# KiCad board TRS80IJP_1.kicad_pcb (continued)
## Routing (per net, layer and track width the routed paths; a pad name or vN(x,y) marks a point on that pad's centre or on a via; arc(x,y) is an arc through that point) (continued)
  Top w0.25: v1(178.73,58.69) 176.32,58.69 173.49,61.53 168.5,61.53 168.43,61.6 168.43,61.66 165.99,64.1 159.17,64.1 158.9,64.37 153.76,64.37 152.98,65.15 151.89,65.15 151.86,65.12 142.69,65.12 140.96,66.85 139.08,66.85 138.23,66 134.95,66 134.18,66.77 131.44,66.77 130.72,66.05 v1(128.23,66.05) ; v1(274.13,57.41) 272.88,57.41 272,56.53 267.64,56.53 265.13,54.02 265.12,54.02 265.11,54.03 260.7,54.03 258.23,51.56 252.18,51.56 251.23,52.51 v1(251.23,52.94) ; Z46.1 283.93,65.57 282.51,66.98 276.53,66.98 275.53,65.98 v1(273.92,65.98) ; v1(125.56,72.15) 122.91,72.15 120.81,70.05 120.72,70.05 117.16,70.03 116.96,70.03 113.53,68.17 113.47,68.17 113.41,68.23 109.4,68.23 108.37,67.2 95.96,67.2 v1(95.61,67.55) ; v1(249.71,42.6) 248.1,42.6 246.53,41.03 240.84,41.03 239.81,42.06 224.58,42.06 224.05,41.53 200.84,41.53 198.77,43.6 182.29,43.6 v1(181.9,43.21) ; v1(95.22,89.55) 90.9,89.55 89.51,90.95 Z28.1 ; v1(97.73,50.32) 97.74,50.33 Z36.6
  Bottom w0.25: v1(97.73,50.32) 97.73,51.64 95.97,53.4 95.97,55.21 97.12,56.36 97.12,60.93 96.48,61.57 96.48,66.68 v1(95.61,67.55) 96.57,68.51 96.57,69.39 96.54,69.42 96.54,79.88 97.22,80.56 97.22,87.55 v1(95.22,89.55) 95.22,87.94 Z28.12 ; v1(125.56,72.15) 128.18,69.96 v1(128.23,66.05) ; v1(178.73,58.69) 178.73,53.09 180.38,51.44 180.38,44.73 v1(181.9,43.21) ; v1(273.92,65.98) 273.81,65.87 273.81,59.44 274.13,59.12 v1(274.13,57.41) ; v1(249.71,42.6) 249.71,43.75 249.36,44.69 249.08,51.41 250.61,52.94 v1(251.23,52.94)
C16: length 162.3
  Top w0.25: Z29.10 104.89,75.71 104.74,75.55 103.27,77.02 94.38,77.02 93.15,78.25 89.33,78.25 88.14,79.43 83.95,79.43 83.13,78.61 80.5,78.61 79.57,79.54 73.82,79.54 71.36,82 64.76,82 v1(64.74,81.98) ; v1(65.9,33.67) 36.23,33.67 34.98,33.13 32.5,32.16 Z51.13
  Bottom w0.25: Z5.10 63.6,108.75 66.4,105.95 66.4,89.49 64.73,87.82 64.73,85.93 64.12,85.32 64.12,83.89 64.74,83.27 v1(64.74,81.98) 64.74,81.15 64.23,80.64 64.23,78.44 64.87,77.8 64.87,75.45 63.64,74.22 63.64,65.41 64.33,64.72 64.33,55.42 66.7,53.05 66.7,40.23 65.83,39.36 65.83,33.74 v1(65.9,33.67)
C32: length 79.4
  Top w0.25: Z29.3 95.73,85.87 v1(95.72,85.87) ; v1(66.5,79.73) 66.66,79.57 72.64,79.57 73.63,78.58 75.29,78.58 76.92,76.95 80.61,76.95 80.94,77.28 83,77.28 83.3,76.98 89.03,76.98 90.55,75.46 92.91,75.46 Z28.8
  Bottom w0.25: v1(95.72,85.87) 95.72,83.61 94.63,82.52 94.63,80.81 94.8,80.64 94.8,77.36 Z28.8 ; v1(66.5,79.73) 67.68,80.91 67.68,106.38 Z5.11
CA6: length 55.9
  Top w0.25: Z38.1 131.79,65.48 130.67,64.36 119.61,64.36 118.42,65.54 117.48,65.54 Z37.1 ; Z56.15 120.03,32.51 v1(119.99,32.47)
  Bottom w0.25: v1(119.99,32.47) 119.16,33.3 119.16,54.74 118.97,54.93 118.97,64.83 118.32,65.48 Z37.1
CAS: length 394.9
  Top w0.25: v1(172.68,45.1) 173,45.42 175.24,45.42 175.64,45.02 177.72,45.02 179.41,46.71 205.43,46.71 206.66,45.48 216.04,45.48 218.01,47.45 222.28,47.45 224.4,45.33 253.04,45.33 v1(254.62,43.75) 254.64,43.77 260.64,43.77 262.24,42.17 275.1,42.17 277.18,44.25 291.37,44.25 293.63,41.99 v1(295.08,41.99) ; v1(331.86,163.43) 330.62,162.19 323.44,162.19 v1(323.25,162.38) ; Z66.7 290.21,22.29 291.56,20.94 295.27,20.94 v1(296.06,21.73) ; v1(277.5,153.24) 281.95,148.79 281.95,138.35 280.05,136.45 265.39,136.45 262.44,133.5 v1(262.22,133.5)
  Bottom w0.25: v1(295.08,41.99) 298.36,38.71 298.36,37.07 296.7,35.41 295.94,35.41 295.94,30.58 295.07,29.71 295.07,25.93 296.06,24.94 v1(296.06,21.73) ; v1(323.25,162.38) 312.09,154.38 279.03,154.22 278.48,154.22 v1(277.5,153.24) ; Z59.14 172.68,34.3 v1(172.68,45.1) ; v1(254.62,43.75) 252.17,46.2 252.17,49.69 252.78,50.3 252.78,56.16 252.24,56.7 252.24,66.3 253.09,67.15 255.45,67.15 255.46,67.14 255.78,67.14 262.04,73.4 262.25,76.84 265.03,78.74 267.15,80.11 268.8,81.25 268.8,83.57 264.95,87.42 264.95,93.71 266.29,95.05 266.24,120.53 261.88,126.3 261.89,133.17 v1(262.22,133.5) ; E1.3 332.75,178.56 332.75,173.38 331.86,172.49 331.86,170.73 332.7,169.89 332.7,164.27 v1(331.86,163.43)
CASSIN: length 68.3
  Bottom w0.25: J3.4 10.46,169.32 10.46,154.14 11.81,152.79 11.81,138.08 R37.2 11.64,132.99 11.64,107.81 C17.1
CGA!CS: length 123.2
  Top w0.25: v1(126.87,11.36) 126.05,10.54 118.47,10.54 118.09,10.92 109.12,10.92 108.66,11.38 86.39,11.38 85.98,10.97 82.56,10.97 81.75,11.78 75.16,11.78 v1(74.16,12.78) ; v1(128.15,62.93) 128.14,62.94 Z37.17
  Bottom w0.25: v1(126.87,11.36) 126.87,15.54 127.5,16.17 127.5,40.31 128.15,40.96 v1(128.15,62.93) ; v1(74.16,12.78) 72.7,14.24 72.7,22.55 Z53.5
CGB!CS: length 137.2
  Top w0.25: v1(71.76,12.66) 71.76,12.56 73.48,10.84 81.52,10.84 82.16,10.2 86.36,10.2 86.77,10.61 108.34,10.61 108.79,10.23 109.62,10.22 117.78,10.22 118.14,9.86 127.28,9.86 129.32,11.9 v1(140.22,11.9)
  Bottom w0.25: Z53.6 71.76,20.95 v1(71.76,12.66) ; Z38.17 143.2,60.08 143.2,53.16 142.84,52.8 142.84,40.56 146,37.4 146,17.68 v1(140.22,11.9)
CHAIN: length 16.4
  Top w0.25: Z34.1 v1(75.46,63.03)
  Bottom w0.25: Z27.9 76.98,72.06 76.98,72.04 76.59,71.64 76.22,71.26 76.21,70.89 76.21,63.34 75.9,63.03 v1(75.46,63.03)
CLOCK: length 455
  Top w0.25: v1(65.89,74.4) 74.18,74.4 v1(74.19,74.41) ; Z27.3 73.99,85.78 v1(74.12,85.65) ; 277.4,37.53 276.94,37.99 273.09,37.99 272.63,37.53 267.52,37.53 263.61,33.62 249.73,33.62 249.52,33.83 v1(249.52,33.88) 249.22,33.58 245.62,33.58 244.49,32.45 Z63.3 234.48,32.45 v1(234.26,32.67) ; v1(14.24,6.66) 16.02,4.88 18.91,4.88 20.32,6.29 32.03,6.29 33.17,5.15 36.97,5.15 37.92,4.2 70.54,4.2 73.91,7.57 80.64,7.57 81.26,6.95 87.33,6.95 87.7,7.32 96.61,7.32 97.96,5.97 106.02,5.97 108.62,8.57 117.94,8.57 118.28,8.23 127.08,8.23 128.77,8.24 129.71,8.25 130.05,8.25 131.73,9.93 132,9.93 132.01,9.92 140.29,9.92 142.78,12.41 160.67,12.41 162.44,10.64 165.27,10.63 v1(167.56,9.55) ; Z50.8 22.4,19.81 23.6,21.01 28.41,21.01 30.95,23.55 40.13,23.55 40.57,23.11 47.13,23.11 47.58,23.56 56.35,23.56 56.61,23.3 58.75,23.3 59,23.55 66.45,23.55 v1(66.46,23.54) ; v1(181.99,9.56) 183,10.57 196.13,10.57 198.45,12.89 199.21,12.89 199.23,12.87 225.6,12.87 226.26,13.53 233.09,13.53 v1(233.11,13.55)
  Bottom w0.25: v1(14.24,6.66) 14.24,13.49 16.98,16.23 16.98,19.7 Z50.8 ; v1(65.89,74.4) 65.06,73.57 65.06,56.01 67.42,53.65 67.42,30.11 67.97,29.56 67.97,28.03 66.46,26.52 v1(66.46,23.54) ; v1(181.99,9.56) 181.27,10.28 181.27,12.68 176.74,17.21 171.24,17.21 169.91,15.88 169.91,13.75 169.04,12.88 169.04,11.03 v1(167.56,9.55) ; Z63.11 248.61,31.6 248.61,32.97 v1(249.52,33.88) ; v1(74.19,74.41) 74.19,80.08 73.2,81.07 73.2,84.73 v1(74.12,85.65) ; v1(233.11,13.55) 233.63,14.07 233.63,28.64 Z62.11 v1(234.26,32.67)
CLOCK2: length 273.4
  Top w0.25: v1(203.75,55.27) 203.74,55.26 198.97,55.26 197.67,56.56 187.88,56.56 187.2,55.88 174.49,55.88 173.78,56.59 v1(158.18,56.59) ; v1(158.12,77.48) 157.93,77.29 153.8,77.29 150.24,80.85 139.33,80.85 137.35,78.87 134.49,78.87 133.67,79.69 129.36,79.69 128.07,78.4 127.02,78.4 127.01,78.41 123.28,78.41 121.55,76.68 119.15,76.68 119.15,76.69 116.92,78.92 111.82,78.92 111.27,79.47 90.12,79.47 87.57,82.02 87.33,82.02 87.32,82.01 84.14,82.01 83.76,82.39 81,82.39 80.43,81.82 74.98,81.82 v1(74.92,81.88) ; Z27.2 74.86,88.32 v1(74.87,88.3) ; v1(277.42,42.54) 276.27,41.39 261.74,41.39 260.74,42.39 253.57,42.39 251.51,44.45 248.64,44.45 246,41.81 241.52,41.81 240.24,43.09 223.77,43.09 222.95,42.27 219.78,42.27 219.5,42.55 205.07,42.55 204.31,43.31 v1(201.97,43.31)
  Bottom w0.25: v1(277.42,42.54) 277.42,41.51 279.53,39.4 279.53,34.39 278,32.86 277.95,32.86 Z65.12 ; v1(74.87,88.3) 75.6,87.57 75.6,82.56 v1(74.92,81.88) ; v1(203.75,55.27) 203.75,45.09 v1(201.97,43.31) ; v1(158.18,56.59) 158.43,56.84 158.43,74.17 158.12,74.48 v1(158.12,77.48)
CSA: length 114.5
  Top w0.25: Z61.4 208.55,30.15 203.89,30.15 201.16,27.42 Z60.10 ; v1(146.06,8.29) 146.06,5.56 CN2.5
  Bottom w0.25: Z60.11 Z60.10 ; Z61.4 203.61,24.73 203.61,11.91 201.13,9.43 201.13,7.23 199.77,5.87 183.61,5.87 182.08,4.34 161.76,4.34 157.81,8.29 v1(146.06,8.29)
CSB: length 103.1
  Top w0.25: Z61.5 203.86,27.37 v1(203.84,27.35)
  Bottom w0.25: CN2.6 146.25,6.47 157.74,6.47 160.69,3.52 182.72,3.52 183.65,4.45 203.31,4.45 205.39,6.53 205.39,17.37 204.67,18.09 204.67,23.25 Z61.5 ; v1(203.84,27.35) 203.84,27.36 203.08,28.12 203,35.79 JP1.1
CSC: length 109.7
  Top w0.25: v1(198.56,19.86) 198.74,19.68 v1(206.3,19.68)
  Bottom w0.25: JP2.1 198.05,30.33 198.05,20.37 v1(198.56,19.86) ; CN2.7 143.76,2.78 183.63,2.78 184.3,3.45 204.17,3.45 206.52,5.8 206.52,19.29 206.3,19.51 v1(206.3,19.68) 206.3,22.34 Z61.6
CSD: length 120.6
  Top w0.25: JP3.1 202.11,25.64 205.79,25.62 206.12,25.96 212.41,25.96 213.82,27.37 Z61.12
  Bottom w0.25: CN2.8 139.42,4.65 142.11,1.96 184.06,1.96 184.75,2.65 216.31,2.65 218.1,4.44 218.1,25.68 Z61.12
CTR: length 409.1
  Top w0.25: v1(83.08,104.94) 83.07,104.93 75.82,104.93 74.56,103.67 Z6.7 ; v1(274.97,22.55) 274.57,22.15 Z65.7 ; v1(194.22,29.82) 192.79,28.39 189.26,28.39 189.02,28.63 177.87,28.63 175.06,25.82 172.38,25.82 172.2,26 170.41,26 170.4,25.99 169.86,25.99 164.75,31.1 159.67,31.1 159.31,31.46 158.03,31.46 157.67,31.1 152.37,31.1 151.78,31.68 150.1,31.68 149.64,31.22 130.81,31.22 130.51,30.92 128,30.92 127.72,31.2 v1(111.63,31.2) ; v1(110.88,13.23) 110.71,13.06 84.59,13.06 v1(84.27,13.38) ; v1(276.77,16.9) 272.85,12.98 258.12,12.98 257.23,13.87 236.61,13.87 234.37,11.63 227.01,11.63 226.65,11.99 200.36,11.99 v1(199.64,11.27) ; Z65.6 274.32,24.69 274.56,24.45 275.89,23.39 278.55,23.39 281.21,26.05 286.28,26.05 287.12,25.21 289.39,25.21 v1(290.05,25.87)
  Bottom w0.25: v1(276.77,16.9) 276.77,19.56 274.97,21.36 v1(274.97,22.55) ; v1(84.27,13.38) 83.56,14.09 83.56,22.94 84.08,23.46 84.08,27 83.65,27.43 83.65,36.09 86.5,38.94 86.5,43.55 83.93,46.12 83.93,58.01 83.94,58.02 83.94,65.8 83.27,66.47 83.27,81.79 81.45,83.61 81.45,89.66 82.54,90.75 82.54,96.39 82.52,96.41 82.52,104.38 v1(83.08,104.94) ; v1(194.22,29.82) 193.67,29.27 193.67,17.24 v1(199.64,11.27) ; v1(110.88,13.23) 110.48,13.63 110.48,30.05 v1(111.63,31.2) ; v1(290.05,25.87) 290.93,26.75 290.93,39.75 292.57,41.39 Z46.8
  Bottom w1.5: Z65.7 Z65.6 ; Z6.6 Z6.7
ENABLE: length 188.2
  Top w0.25: Z68.1 348.53,34.85 Z68.19 ; v1(350.53,93.4) 350.53,93.4 346.13,93.4 ; v1(315.56,79.41) 317.23,81.08 325.63,81.08 325.63,81.1 326.76,82.15 340.23,81.99 340.5,82.02 v1(341.09,82.35) ; v1(316.24,60.3) 315.73,59.79 310.09,59.79 309.4,59.1 304.52,59.1 304.28,59.34 302.42,59.34 302.28,59.22 302.07,59.07 298.73,59.07 v1(297.83,58.17) ; v1(287.56,50.38) 287.56,50.4 Z46.10 ; Z49.19 348.91,65.48 348.54,65.52 345.98,68.02 Z49.1
  Bottom w0.25: 346.13,93.4 345.62,93.4 342.84,90.62 342.84,85.48 341.03,83.67 341.03,82.41 v1(341.09,82.35) ; v1(350.53,93.4) 351.49,92.95 351.37,75.13 Z49.1 ; Z46.10 295.74,57.2 v1(297.83,58.17) ; Z49.19 352.08,64 352.08,36.38 Z68.19 ; Z66.1 285.1,40.19 285.05,40.24 287.02,42.21 287.02,49.84 v1(287.56,50.38) ; v1(316.24,60.3) 317.04,61.1 317.04,63.86 316.29,64.61 316.29,65.09 316.3,65.1 316.3,78.82 315.71,79.41 v1(315.56,79.41)
FTAPEE: length 28.4
  Top w0.25: v1(159.88,36.8) 160.19,37.11 162.71,37.11 163.18,37.58 Z59.1
  Bottom w0.25: Z40.3 161.44,58.78 161.44,53.56 160.13,50.55 160.33,37.25 v1(159.88,36.8)
FTAPEIN: length 214.6
  Top w0.25: Z59.4 158.66,29.96 v1(158.6,29.9) ; Z31.8 31.83,47.42 27.5,47.42 25.9,49.02 v1(22.17,49.02)
  Bottom w0.25: Z31.4 22.87,53.7 22.81,53.7 22.71,53.6 22.71,49.56 v1(22.17,49.02) ; v1(158.6,29.9) 159.76,28.74 159.76,14.26 157.79,12.29 144.51,12.29 141.04,8.82 133.85,8.82 128.56,3.53 75,3.53 73.8,4.73 35.86,4.73 34.3,6.29 34.3,13.83 29.7,18.43 29.7,38.76 31.68,40.74 31.68,47.27 Z31.8
H: length 284.4
  Top w0.25: v1(222.21,9.62) 221.35,10.58 202.48,10.41 201.74,9.67 201.74,4.5 201.26,4.02 166.29,3.96 159.25,10.1 143.92,10.1 141.45,7.63 132.85,7.63 131.11,5.89 116.91,5.89 116.55,6.25 109.62,6.25 107.02,3.65 96.74,3.65 95.25,5.22 88.78,5.24 86.13,2.91 76.95,2.91 75.29,4.57 v1(75.29,5.42) ; v1(42.6,60.52) 42.63,60.49 Z32.13
  Bottom w0.25: v1(222.21,9.62) 222.21,25.7 Z62.5 ; v1(42.6,60.52) 42.6,55.56 Z32.5 41.88,50.9 41.88,46.16 35.88,40.16 35.88,25.82 34.52,24.46 34.52,14.69 35.23,13.98 35.23,6.76 36.57,5.42 v1(75.29,5.42)
H1: length 36.6
  Top w0.25: Z62.4 228.96,29.91 Z62.10 232.82,27.37 235.36,29.91 Z63.4 243.1,29.91 244.38,31.19 249.95,31.19 v1(249.96,31.18) ; Z63.10 246.93,27.36 R74.2
  Bottom w0.25: v1(249.96,31.18) 250.71,30.43 R74.2
HDRV: length 295.4
  Top w0.25: v1(220.2,35.2) 220.52,35.2 Z62.1 ; v1(88.89,105.88) 87.44,107.34 75.99,107.34 75.97,107.31 73.36,109.92 68.96,109.92 68.42,110.46 68.42,111.98 67.48,112.92 65.74,112.92 64.69,111.87 64.69,108.13 Z5.9 ; v1(205.59,28.81) 205.62,28.79 206.06,28.79 206.24,28.68 206.52,28.58 206.53,28.59 218.84,28.59 v1(220.2,27.23) ; v1(198.62,35.99) 192.81,39.03 177.3,39.07 176.45,38.22 176.45,37.05 175.44,36.04 173.24,36.04 172.8,36.48 172.8,38.02 171.96,38.86 169.14,38.86 164.69,36.16 161.75,36.17 160.92,35.34 158.27,35.34 157.24,36.37 153.28,36.37 152.7,35.79 149.55,35.79 148.91,36.43 146.78,36.43 145.76,35.41 145.76,33.26 145.09,32.59 143.27,32.59 142.23,33.64 136.55,33.64 133.78,36.4 131.59,36.4 130.84,35.65 126.84,35.65 125.93,36.56 116.47,36.56 115.29,35.38 111.93,35.38 110.84,36.47 108.47,36.47 108.45,36.49 99.78,36.49 98.8,35.51 98.8,34.34 95.57,31.11 90.77,31.11 89.63,29.97 Z54.3
  Bottom w0.25: 91.05,85.43 91.06,98.24 89.03,100.3 89.03,105.74 v1(88.89,105.88) ; 91.05,85.43 Z28.11 89.16,79.34 89.16,70.32 91.9,67.58 91.9,64.43 Z35.14 91.55,61.28 91.55,54.54 88.98,51.97 88.98,33.61 89.01,33.58 89.01,33.13 85.85,29.97 Z54.3 ; v1(220.2,27.23) v1(220.2,35.2) ; v1(198.62,35.99) 198.62,38.85 199.67,39.9 202.14,39.9 203.45,38.59 203.97,36.89 204.13,36.28 204.13,36.3 204.16,35.71 204.16,30.24 v1(205.59,28.81)
IN: length 359.1
  Top w0.25: v1(245.75,43.76) 244.48,42.49 242.32,42.49 240.82,43.99 223.17,43.99 222.55,43.37 205.21,43.37 204.11,44.47 180.69,44.47 179.07,42.85 174.39,42.85 173.77,42.23 170.91,42.23 170.34,42.8 v1(165.36,42.8) ; v1(349.92,70.44) 349.87,70.49 344.52,70.49 340.47,66.44 322.05,66.39 316.71,70.94 277.06,70.95 276.47,70.36 274.84,70.36 273.59,71.61 252.66,71.61 251.83,70.67 251.63,70.42 250.74,69.16 248.17,65.31 242.97,65.31 v1(242.68,65.6)
  Bottom w0.25: v1(165.36,42.8) 165.61,43.05 165.61,63.33 163.46,65.48 Z40.1 ; v1(242.68,65.6) 242.68,64.18 240.59,62.09 240.59,50.29 242.65,46.6 v1(245.75,43.76) ; v1(349.92,70.44) 353.82,74.34 353.82,75.55 352.28,77.09 352.28,95.97 351.08,97.17 351.08,157.75 352.4,159.07 352.4,168.77 352.37,168.8 352.37,169.64 353.19,170.46 353.19,178.44 E1.19
INT: length 205.8
  Top w0.25: v1(363.46,139.45) 363.02,139.01 342.67,139.01 342.4,139.29 342.35,139.29 342,139.53 340.5,139.53 339.94,138.97 332.73,138.97 332.27,139.43 v1(332.27,139.48)
  Bottom w0.25: v1(363.46,139.45) 364.08,140.07 364.08,148.69 363.46,149.43 363.51,158.97 355.62,165.3 355.49,166.13 355.49,170.02 354.64,170.87 354.64,172.72 355.31,173.46 355.33,173.61 E1.21 ; v1(332.27,139.48) 332.27,130.23 327.85,125.81 327.85,105.53 325.89,103.57 325.89,101.99 325.92,101.96 325.92,85.24 324.37,83.79 323.93,83.43 323.31,82.99 322.63,82.54 321.49,81.64 315.37,81.64 314.29,80.56 314.29,68.3 312.58,66.59 312.58,55 313.33,54.25 313.33,43.56 314.1,42.79 314.1,38.52 316.58,36.04 316.58,33.64 315.55,32.61 R77.2 Z48.16
INTAK: length 235.6
  Top w0.25: v1(342.03,154.57) 341.75,154.85 333.26,154.85 333.11,154.7 v1(324.41,154.7) ; v1(343.83,168.69) 343.56,168.96 343.51,168.96 343.51,171.95 345.17,173.61 E1.14
  Bottom w0.25: v1(324.41,154.7) 323.1,153.39 323.1,137.42 320.22,134.54 314.66,134.54 310.06,139.14 301.41,139.14 297.52,136.76 275.95,136.69 273.8,134.54 273.8,133.37 273.81,133.36 273.81,81.48 273.76,81.15 268.5,76.97 267.19,72.22 264.23,68.86 264.23,56.03 266.16,54.1 266.16,47.93 267.22,46.87 267.22,43.36 264.42,40.56 264.42,23.44 263.3,22.32 262.06,22.32 ; v1(343.83,168.69) 343.83,164.96 343.29,164.42 343.29,155.83 v1(342.03,154.57)
KYBD: length 335.1
  Top w0.25: v1(375.52,40.45) 375.01,39.94 352.91,39.94 351.64,41.21 339.19,41.21 335.07,45.34 331.77,45.34 325.48,51.62 321.67,51.62 320.4,52.89 317.1,52.89 v1(316.84,52.64) ; v1(288.9,34.86) 290.17,33.59 294.74,33.59 297.28,31.05 310.49,31.05 310.75,30.79 312.52,30.79 312.78,31.05 316.33,31.05 v1(316.84,31.56) ; 379.38,4.19 377.88,5.7 v1(375.82,5.7) ; Z60.4 175.19,29.96 v1(175.11,30.03) ; v1(288.9,15.05) 288.9,14.28 281.28,6.66 240.9,6.66 v1(237.59,9.97) ; v1(235.56,23.68) 235.31,23.43 220.07,23.43 218.8,22.16 216.54,22.16 Z61.10 214.09,22.29 212.96,23.43 204.57,23.43 204.07,23.94 187.81,23.94 187.56,23.68 184,23.68 183.75,23.94 180.95,23.94 180.44,23.43 180.41,23.46 176.41,23.46 175.87,22.92 v1(175.87,21.65)
  Bottom w0.25: v1(237.59,9.97) 236.07,11.49 236.07,23.17 v1(235.56,23.68) ; v1(375.52,40.45) 375.26,40.19 375.26,9.07 379.65,4.68 ; v1(175.11,30.03) 175.87,29.27 v1(175.87,21.65) ; v1(375.82,5.7) 375.64,5.52 375.64,2.9 375.24,2.5 370.59,2.5 CN3.14 ; v1(316.84,31.56) 317.86,32.57 317.86,52.13 317.35,52.64 v1(316.84,52.64) ; v1(288.9,15.05) 288.14,15.81 288.14,26.48 289.41,27.75 289.41,34.35 v1(288.9,34.86)
L1: length 274.7
  Top w0.25: Z45.2 268.88,63.03 266.78,60.92 265.28,60.92 264.59,61.61 252.56,61.61 252.52,61.57 251.08,59.31 v1(248.5,55.42) ; Z35.12 91.81,57.95 86.73,63.03 Z35.1 ; v1(95.69,51.59) 95.83,51.46 110.77,51.54 116.28,49.04 116.28,49.02 122.17,49.02 123.49,47.7 Z37.11 129.97,47.7 131.23,48.96 135.95,48.96 137.22,47.69 137.23,47.7 Z38.11 145.48,47.7 146.69,48.92 150.99,48.92 v1(151.95,47.95) ; v1(152.99,16.52) 153.7,15.81 156.34,15.81 161.45,20.92 173.51,20.92 174.09,20.63 174.58,20.43 193.47,20.43 195.61,18.28 219.73,18.28 222.39,20.94 249.69,20.94 v1(250.59,21.84)
  Bottom w0.25: v1(250.59,21.84) 251.73,22.98 251.73,26.02 252.31,26.6 252.31,29.33 251.67,29.97 251.67,34.45 248.84,37.28 248.84,40.92 248.85,40.93 247.84,41.94 247.81,41.94 247.81,52.65 248.52,53.36 248.52,55.4 v1(248.5,55.42) ; v1(152.99,16.52) 151.7,17.81 151.7,28.75 152.69,29.74 152.69,32.15 153.67,33.13 153.67,46.23 v1(151.95,47.95) ; Z35.12 95.15,56.1 95.15,52.13 v1(95.69,51.59)
L2: length 51.6
  Top w0.25: Z38.10 137.18,45.16 136,46.34 131.43,46.34 130.25,45.16 Z37.10 123.39,45.16 122.16,46.39 115.86,46.39 115.2,45.73 110.7,45.73 110.03,46.4 v1(95.75,46.4)
  Bottom w0.25: v1(95.75,46.4) 95.75,47.88 Z35.9
L4: length 209.8
  Top w0.25: v1(59.74,117.63) 58.95,117.63 Z5.3 ; v1(59,49.07) 71.26,49.07 73.15,47.18 75.95,47.18 75.97,47.2 76.22,47.2 76.97,46.45 81.87,46.45 84.33,48.92 88.02,48.92 89.25,47.68 89.36,47.79 Z35.8 98.05,47.79 98.11,47.73 99.3,48.92 110.33,48.92 111.21,48.91 114.42,48.96 115.68,47.7 Z37.8 122.39,47.7 123.66,46.43 129.9,46.43 131.17,47.7 Z38.8 ; v1(135.15,64.27) 141.04,64.27 143.64,61.67 151.73,61.67 Z39.14
  Bottom w0.25: v1(135.15,64.27) 134.65,63.77 134.65,49.63 Z38.8 ; 71.35,126.48 71.31,126.51 69.25,126.51 67.44,126.52 67.41,126.52 59.74,118.85 v1(59.74,117.63) ; v1(59,49.07) 60.16,50.23 60.16,55.2 58.61,56.75 58.61,58.81 60.17,60.37 60.17,64.29 57.89,66.57 57.89,107.94 56.94,108.89 56.94,112.04 Z5.3
L8: length 327.3
  Top w0.25: Z34.14 76.74,64.36 69.53,64.36 68.3,63.13 68.3,62.08 67.53,61.31 64.97,61.31 64.6,61.68 60.39,61.68 v1(58.82,63.25) ; v1(151.87,72.59) 151.76,72.59 149.91,74.44 149.91,77.88 148.7,79.09 140.11,79.09 137.72,76.7 135.79,76.7 134.07,74.98 131.28,74.98 130.08,76.18 124.37,76.18 119.84,71.65 v1(119.21,71.65) ; v1(81.96,54.03) 81.99,54 87.98,54 88.01,53.97 89.45,55.41 Z35.11 96.03,55.41 97.18,56.56 109.92,56.56 112.83,53.65 114.59,53.65 115.45,54.51 115.45,55.93 116.05,56.53 v1(120.29,56.53) ; v1(81.19,28.63) v1(66.52,28.63)
  Bottom w0.25: Z34.14 78.07,62.75 80.23,60.59 80.23,58.56 80.34,58.45 81.11,58.45 82.67,56.89 82.67,54.74 v1(81.96,54.03) 83.45,52.54 83.45,41.79 79.83,38.17 79.83,33.49 81.19,32.13 v1(81.19,28.63) 83.27,26.55 83.27,23.91 82.61,23.25 82.61,6.75 85.02,4.34 119.68,4.34 123.07,7.73 123.07,22.96 Z56.12 ; v1(120.29,56.53) 120.15,57.18 120.07,65.45 118.94,66.58 118.94,71.38 v1(119.21,71.65) ; v1(151.87,72.59) 151.87,69.32 146.36,63.81 146.36,61.25 147.12,60.49 Z39.2 ; Z52.12 64.99,29.13 v1(66.52,28.63) ; v1(58.82,63.25) 56.97,65.1 56.97,88.93 56.7,89.2 56.7,107.61 55.56,108.75 Z5.5
LATCH: length 281.3
  Top w0.25: v1(80.61,20.94) 109.7,20.94 110.14,21.38 112.84,21.38 113.29,20.94 121.13,20.94 v1(121.17,20.98) ; v1(22.97,40.07) 23.34,39.7 32.39,39.7 v1(32.59,39.9) ; Z53.11 77.96,27.41 72.97,27.41 71.58,26.02 47.73,26.02 47.23,26.51 40.39,26.51 39.98,26.1 22.16,26.1 21.87,25.81 18.49,25.81 Z50.11 ; Z56.9 v1(121.18,17.27) ; v1(156.64,80.83) 154.76,82.71 138.42,82.71 136.45,80.74 134.84,80.74 133.87,81.71 127.29,81.71 v1(126.32,80.74)
  Bottom w0.25: v1(121.17,20.98) 121.18,20.97 v1(121.18,17.27) ; v1(22.97,40.07) 21.44,38.54 21.44,34.69 18.82,32.07 18.82,29.38 Z50.11 ; Z11.9 153.93,98.47 153.93,98.28 153.98,84.06 v1(156.64,80.83) ; Z53.11 79.96,25.45 79.96,21.59 v1(80.61,20.94) ; v1(32.59,39.9) 32.59,45.59 34.13,47.13 34.13,53.81 33.49,54.45 33.49,54.94 33.02,55.41 Z31.11 ; Z56.9 126.57,18.84 126.57,19.14 126.56,19.15 126.56,40.57 126.96,40.97 126.96,60.78 126.72,61.02 126.72,67.02 123.74,70 123.74,78.16 v1(126.32,80.74)
MCAS: length 139.4
  Top w0.25: R69.2 Z59.13 172.37,31.44 177.06,31.44 177.42,31.08 187.69,31.08 188.42,31.81 202.96,31.81 204.76,33.61 210.28,33.61 212.12,35.45 v1(212.57,35.45)
  Bottom w0.25: v1(212.57,35.45) 212.9,35.78 212.9,44.7 212.2,45.4 212.2,75.53 211.48,76.25 211.48,83.12 205.49,89.11 205.49,92.27 209.1,95.88 209.1,112.52 203.96,117.66 202.54,117.66 202.42,117.54 R101.1
MEM: length 290.3
  Top w0.25: 353.56,120.23 351.02,122.77 345.94,122.77 ; v1(243.17,43.82) 242.35,44.64 223.82,44.64 221.76,46.7 218.28,46.7 216.39,44.81 206.21,44.81 205.11,45.91 179.7,45.91 178.09,44.36 177.22,44.34 176.87,44.34 174.01,44.38 173.45,43.82 171.56,43.82 v1(170.04,45.34) ; v1(240.56,64.4) 241.67,63.29 248.07,63.36 252.79,70.29 253.13,70.68 253.16,70.71 273.47,70.71 274.63,69.55 276.67,69.55 277.34,70.22 316.32,70.1 321.68,65.51 340.92,65.51 344.94,69.53 348.65,69.53 350.09,68.09 351.05,68.09 v1(351.06,68.1)
  Bottom w0.25: Z40.8 170.68,45.98 v1(170.04,45.34) ; 353.56,120.23 352.2,118.87 352.2,97.85 355.76,94.29 355.76,92.87 353.75,90.86 354.19,90.86 355.8,89.25 355.8,72.84 v1(351.06,68.1) ; v1(240.56,64.4) 239.79,63.63 239.79,49.67 242.35,45.33 v1(243.17,43.82)
MODESIG: length 311.1
  Top w0.25: Z27.1 69.08,90.86 69.01,90.93 66.57,90.93 65.37,89.73 60.85,89.73 60.24,90.34 58,90.34 57.39,89.73 53.23,89.73 52.46,88.96 49.52,88.96 47.88,90.6 40.55,90.6 v1(40.51,90.64) ; v1(159.4,33.69) 159.42,33.67 160.58,34.19 161.92,34.63 Z59.2 ; v1(40.99,42.51) 40.98,42.5 v1(29.58,42.5)
  Bottom w0.25: Z4.6 41.61,104.47 41.61,91.74 v1(40.51,90.64) 39.15,89.28 39.15,67.64 44.31,62.48 44.31,60.5 43.22,59.41 43.22,44.74 v1(40.99,42.51) ; v1(29.58,42.5) 29.59,42.49 29.59,40.63 28.56,39.6 28.56,17.03 29.62,15.97 29.62,5.97 31.66,3.93 73.02,3.93 74.26,2.69 128.84,2.69 134.07,7.92 141.41,7.92 144.78,11.29 157.96,11.29 160.63,13.96 160.63,32.46 v1(159.4,33.69)
MRAS: length 55.5
  Top w0.25: v1(290.24,20.43) 289.8,20.88 282.52,20.88 v1(282.49,20.85) ; Z66.11 R76.2
  Bottom w0.25: v1(290.24,20.43) 290.23,20.44 290.23,22.34 Z66.11 ; v1(282.49,20.85) 283.36,21.72 283.36,27.43 281.59,29.2 281.59,42.71 281.6,42.72 281.6,43.55 279.33,45.82 279.33,53.14 281.01,54.82 281.01,55.35 R109.1
MUX: length 407.7
  Top w0.25: E1.16 347.73,173.88 347.75,173.72 347.75,173.39 v1(346.3,171.94) ; Z14.1 187.71,117.63 186.49,116.41 178.75,116.41 177.53,117.63 Z13.1 ; v1(280.38,75.45) 280.07,75.76 269.94,75.76 267.07,72.89 261.19,72.89 v1(260.23,73.85) 257.99,75.45 254.34,75.44 254.3,75.48 245.72,81.21 245.66,81.25 223.64,81.25 222.51,82.38 191.45,82.38 190.45,83.38 v1(190.24,83.38) ; v1(258.45,137.91) 259.81,139.27 268.25,139.27 268.57,139.59 270.55,139.59 270.92,139.22 275.6,139.22 276.29,138.53 279.3,138.53 280.36,139.59 280.36,148.34 275.57,153.13 v1(274.93,153.13) ; v1(323.25,164.91) 333.32,164.91 334.79,163.44 v1(345.89,163.44)
  Bottom w0.25: v1(260.23,73.85) 261.19,77.42 263.5,78.92 264.54,79.59 267.24,81.41 267.28,81.79 267.27,83.58 263.86,86.99 263.86,93.82 265.29,95.25 265.17,120.01 260.93,125.77 260,131.97 259.17,135.09 v1(258.45,137.91) ; Z13.1 178.74,117.63 181.94,114.43 181.94,87.11 181.93,87.1 183.56,85.47 185.39,85.47 187.25,83.61 190.01,83.61 v1(190.24,83.38) ; v1(346.3,171.94) 346.3,163.84 346.26,163.8 346.25,163.8 v1(345.89,163.44) ; v1(323.25,164.91) 321.5,163.87 320.61,161.75 311.81,155.54 277.34,155.54 v1(274.93,153.13) ; Z66.5 282.6,29.87 282.6,44.54 283.05,44.99 283.05,57.29 282.05,58.29 282.05,62.58 279.57,65.06 279.57,66.93 280.38,67.74 v1(280.38,75.45)
OUT: length 410.2
  Top w0.25: v1(273.58,73.46) 277.22,73.46 278.16,72.52 319.39,72.52 327.45,80.58 338.89,80.58 341.31,78.16 346.13,78.16 ; v1(271.71,16.87) 269.85,15.01 259.27,15.01 258.39,15.89 225.85,15.89 224.47,14.51 183.38,14.51 182.66,13.79 181.5,13.79 178.91,16.38 172.99,16.42 166.97,13.59 165.57,12.97 v1(164.29,12.17) ; v1(338.37,135.37) 341.88,135.37 342.2,135.69 v1(348.8,135.69) ; v1(342.17,171.6) 342.19,173.06 342.39,173.57 342.39,178.61 E1.12
  Bottom w0.25: v1(271.71,16.87) 272.12,17.28 272.12,56.44 271.48,57.08 271.58,70.81 v1(273.58,73.46) ; v1(164.29,12.17) 164.29,13.1 167.22,16.03 167.22,24.21 164.79,26.64 164.79,39.55 162.5,41.84 162.5,44.98 164.73,47.21 164.73,53.78 164.6,53.78 Z40.5 ; v1(342.17,171.6) 341.5,170.3 341.58,157.23 340.29,155.94 340.29,155.77 340.3,155.76 340.3,147.83 338.19,145.72 338.19,135.85 338.37,135.67 v1(338.37,135.37) ; v1(348.8,135.69) 350.29,134.2 350.29,96.06 349.26,95.03 349.26,85.26 348.25,84.25 348.25,80.28 346.13,78.16
